# Altium PCB qwq.pcbdoc (part 2 of 3)
Units mil, origin at the board's own origin, x right, y up, seen from the top; angles counter-clockwise.
Board outline 7804.77 x 7315.9 mil, 6 copper layers (Top Layer, Inner1, Inner2, Inner3, Mid-Layer 4, Bottom Layer), stack 84 mil thick; 54 components, 121 nets, 696 pads, 479 vias.
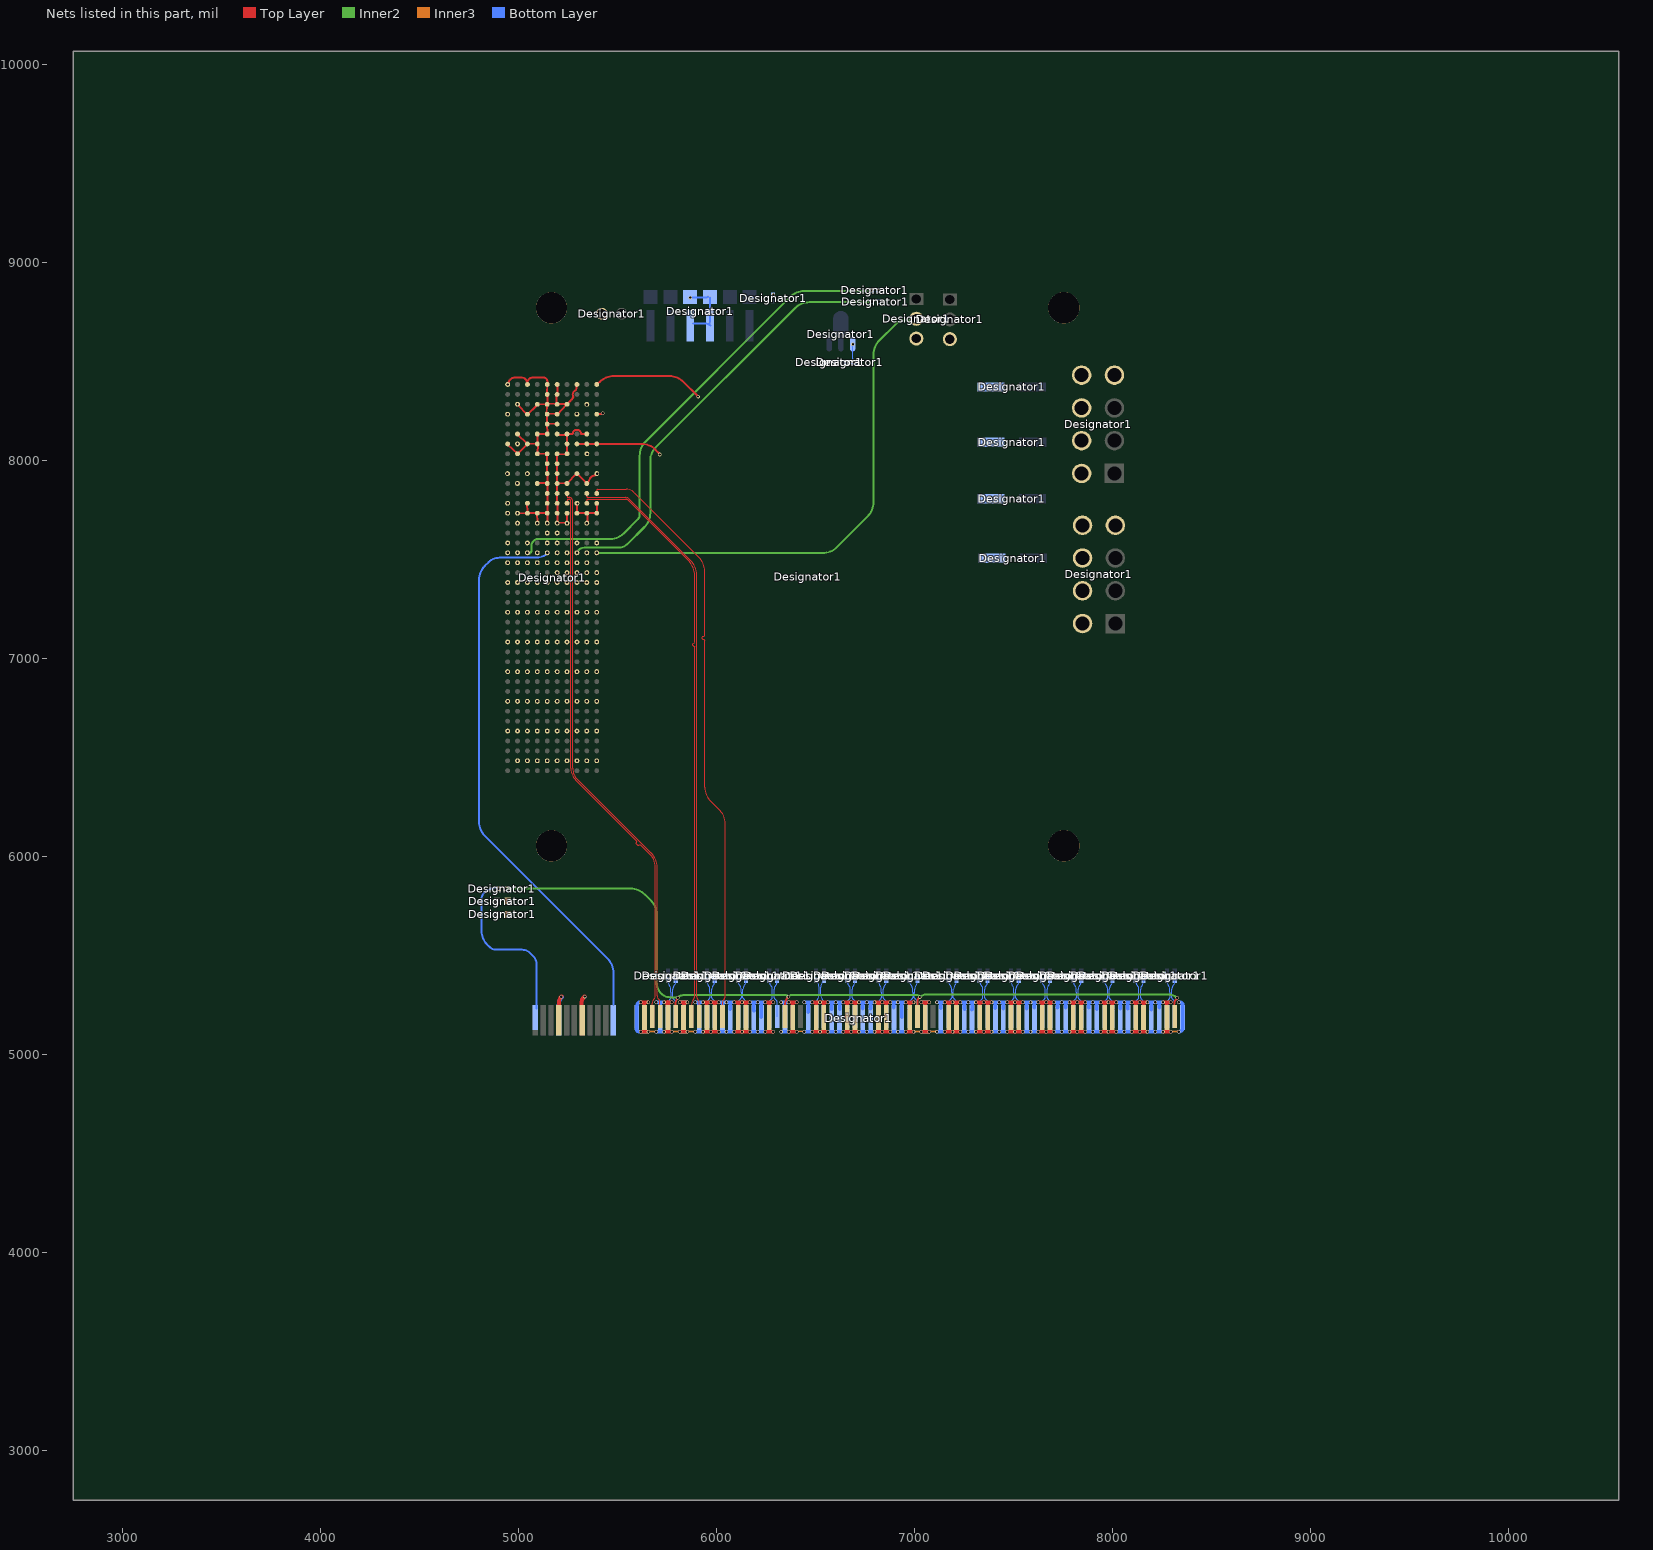
[diagram p6: the nets of this part, all layers, seen from the top]

## Via types
v1: diameter 17.7, hole 11.81, Top Layer to Bottom Layer, 285 vias
v2: diameter 17.72, hole 11.81, Top Layer to Bottom Layer, 142 vias
v3: diameter 17.7, hole 11.8, Top Layer to Bottom Layer, 52 vias

## Nets (pads, with @x,y where several pads share a name; then routed paths per layer and width w, separated by ;. In a path a pad name is that pad's centre, name@x,y a point inside that pad or via, vN(x,y) a via of type N, cw(c..) or ccw(c..) an arc to the next point about the centre after c; other vN are vias at no path point) (continued)
GND: Designator1.1@6545.54,8495 Designator1.1@6685.85,8587.5 Designator1.1@6693.98,8493.82 Designator1.2@4943.87,5706.65 Designator1.2@4944.67,5774.57 Designator1.2@5419.01,8740.18 Designator1.2@6284.08,8836.02 Designator1.2@6815.81,8857.68 Designator1.2@6817.41,8800.18 Designator1.2@7383.95,8370.32 Designator1.2@7384.18,7805.87 Designator1.2@7384.62,8090.84 Designator1.2@7389.38,7504.98 Designator1.3@5965.59,8679.53 Designator1.3@5965.59,8824.81 Designator1.3@7007.63,8614.65 Designator1.3@7176.59,8611.54 Designator1.4 Designator1.5@7842.46,7933.64 Designator1.5@7846.73,7175.83 Designator1.6@7842.46,8098.99 Designator1.6@7846.73,7341.19 Designator1.7 Designator1.8 Designator1.A1@5393.77,8382.76 Designator1.A4 Designator1.A7@5393.77,8082.76 Designator1.A10@5393.77,7932.76 Designator1.A12@5595.9,5187.33 Designator1.A13@5393.77,7782.76 Designator1.A14@5393.77,7732.76 Designator1.A15@5714.01,5187.33 Designator1.A17@5393.77,7582.76 Designator1.A18@5832.12,5187.33 Designator1.A20@5910.86,5187.33 Designator1.A21@5393.77,7382.76 Designator1.A23@6028.97,5187.33 Designator1.A24 Designator1.A27 Designator1.A28@6225.82,5187.33 Designator1.A30@5393.77,6932.76 Designator1.A31@6343.93,5187.33 Designator1.A33@5393.77,6782.76 Designator1.A34@6462.04,5187.33 Designator1.A36@5393.77,6632.76 Designator1.A37@6580.15,5187.33 Designator1.A38@6619.52,5187.33 Designator1.A39@5393.77,6482.76 Designator1.A41 Designator1.A42 Designator1.A45 Designator1.A46 Designator1.A49 Designator1.A51 Designator1.A54 Designator1.A55 Designator1.A58 Designator1.A59 Designator1.A62 Designator1.A63 Designator1.A66 Designator1.A67 Designator1.A70 Designator1.A71 Designator1.A74 Designator1.A75 Designator1.A78 Designator1.A79 Designator1.A82 Designator1.B3@5343.77,8282.76 Designator1.B4@5202.2,5173.35 Designator1.B6@5343.77,8132.76 Designator1.B7 Designator1.B8@5343.77,8032.76 Designator1.B11@5343.77,7882.76 Designator1.B13@5635.27,5187.33 Designator1.B14@5343.77,7732.76 Designator1.B15@5343.77,7682.76 Designator1.B16@5753.38,5187.33 Designator1.B18 Designator1.B19@5343.77,7482.76 Designator1.B21 Designator1.B22@5989.6,5187.33 Designator1.B24@5343.77,7232.76 Designator1.B25@6107.71,5187.33 Designator1.B26@6147.08,5187.33 Designator1.B27@5343.77,7082.76 Designator1.B29@6265.19,5187.33 Designator1.B30@5343.77,6932.76 Designator1.B32@6383.3,5187.33 Designator1.B33@5343.77,6782.76 Designator1.B35@6501.41,5187.33 Designator1.B36 Designator1.B39 Designator1.B40@6698.26,5187.33 Designator1.B43 Designator1.B44 Designator1.B47 Designator1.B49 Designator1.B52 Designator1.B53 Designator1.B56 Designator1.B57 Designator1.B60 Designator1.B61 Designator1.B64 Designator1.B65 Designator1.B68 Designator1.B69 Designator1.B72 Designator1.B73 Designator1.B76 Designator1.B77 Designator1.B80 Designator1.C1 Designator1.C4 Designator1.C7 Designator1.C10 Designator1.C13 Designator1.C14 Designator1.C17 Designator1.C21 Designator1.C24 Designator1.C27 Designator1.C30 Designator1.C33 Designator1.C36 Designator1.C39 Designator1.D3 Designator1.D6 Designator1.D7 Designator1.D8 Designator1.D11 Designator1.D14 Designator1.D15 Designator1.D18 Designator1.D19 Designator1.D21 Designator1.D24 Designator1.D27 Designator1.D30 Designator1.D33 Designator1.D36 Designator1.D39 Designator1.E1 Designator1.E2 Designator1.E3 Designator1.E4 Designator1.E5 Designator1.E6 Designator1.E8 Designator1.E9 Designator1.E10 Designator1.E11 Designator1.E12 Designator1.E13 Designator1.E14 Designator1.E15 Designator1.E16 Designator1.E17 Designator1.E19 Designator1.E21 Designator1.E24 Designator1.E27 Designator1.E30 Designator1.E33 Designator1.E36 Designator1.E39 Designator1.F1 Designator1.F2 Designator1.F3 Designator1.F4 Designator1.F5 Designator1.F6 Designator1.F8 Designator1.F9 Designator1.F10 Designator1.F11 Designator1.F12 Designator1.F13 Designator1.F14 Designator1.F15 Designator1.F16 Designator1.F17 Designator1.F19 Designator1.F21 Designator1.F24 Designator1.F27 Designator1.F30 Designator1.F33 Designator1.F36 Designator1.F39 Designator1.G3 Designator1.G6 Designator1.G7 Designator1.G8 Designator1.G11 Designator1.G14 Designator1.G15 Designator1.G18 Designator1.G19 Designator1.G21 Designator1.G24 Designator1.G27 Designator1.G30 Designator1.G33 Designator1.G36 Designator1.G39 Designator1.H1 Designator1.H4 Designator1.H7 Designator1.H10 Designator1.H13 Designator1.H14 Designator1.H17 Designator1.H19 Designator1.H21 Designator1.H24 Designator1.H27 Designator1.H30 Designator1.H33 Designator1.H36 Designator1.H39 Designator1.J3 Designator1.J6 Designator1.J8 Designator1.J11 Designator1.J14 Designator1.J15 Designator1.J18 Designator1.J19 Designator1.J21 Designator1.J24 Designator1.J27 Designator1.J30 Designator1.J33 Designator1.J36 Designator1.J39 Designator1.K1 Designator1.K4 Designator1.K7 Designator1.K10 Designator1.K13 Designator1.K14 Designator1.K17 Designator1.K19 Designator1.K21 Designator1.K24 Designator1.K27 Designator1.K30 Designator1.K33 Designator1.K36 Designator1.MH2 Designator1.MH3 Designator1.MH6 Designator1.MH7 | length 12860.2
  Top Layer w10: Designator1.K7@4944.27,8079.38 Designator1.J8@4994.18,8031.98 ; Designator1.K1@4947.12,8382.94 cw(c4982.37,8382.94) 4982.37,8418.19 5012.91,8418.19 cw(c5012.91,8388.71) Designator1.H1@5042.39,8388.71 ; Designator1.J6@4989.16,8129.29 4994.52,8129.64 Designator1.J6@4996.23,8129.75 ; Designator1.J14@4993.67,7733.61 Designator1.H14@5044.78,7732.34 ; Designator1.J3@4994.18,8281.77 Designator1.H4@5043.18,8227.98 ; Designator1.J8@4995.32,8031.98 Designator1.H7@5042.95,8080.07 ; Designator1.J6@4995.37,8128.84 Designator1.H7@5040.44,8086.22 ; Designator1.H13@5042.25,7785.03 Designator1.H14@5045.1,7735.14 ; Designator1.H4@5042.5,8230.26 Designator1.G3@5092.64,8279.03 ; Designator1.H1@5043.45,8388.56 5043.45,8390.84 cw(c5070.19,8390.84) 5070.19,8417.58 5126.41,8417.58 cw(c5126.41,8399.95) 5144.04,8399.95 Designator1.F1@5144.04,8383.64 ; Designator1.H7@5044.32,8083.71 5094.69,8081.9 Designator1.G7@5094.69,8080.52 ; Designator1.H14@5045.1,7733.71 Designator1.G14@5092.19,7733.71 ; Designator1.G14@5092.14,7735.14 Designator1.G14@5092.19,7733.71 ; Designator1.G3@5093.09,8281.31 5143.86,8284.23 Designator1.F4@5140.27,8234.13 ; Designator1.G15@5093.57,7686.67 Designator1.G14@5092.19,7733.71 ; Designator1.G11@5093.57,7884.82 Designator1.F11@5137.76,7884.82 ; Designator1.G7@5094.69,8082.98 Designator1.G6@5094.69,8130.66 ; Designator1.G7@5094.74,8081.9 Designator1.G7@5094.92,8081.89 ; Designator1.G7@5096.42,8082.98 5093.57,8031.66 Designator1.F8@5142.04,8033.08 ; Designator1.G6@5097.88,8132.71 Designator1.F6@5144.58,8132.49 ; Designator1.F14@5142.04,7733.71 Designator1.G14@5092.19,7733.71 ; Designator1.F2@5142.09,8339.2 Designator1.F1@5143.85,8382.03 ; Designator1.F4@5142.32,8236.41 Designator1.E4@5196.11,8232.77 ; Designator1.F4@5142.37,8234.18 Designator1.F5@5143.46,8183.99 ; Designator1.F8@5143.47,8034.51 5143.68,7982.76 Designator1.F11@5144.07,7884.85 ; Designator1.F5@5143.69,8187.18 Designator1.F6@5144.58,8132.49 ; Designator1.F11@5144.08,7882.77 Designator1.F15@5144.89,7683.82 ; Designator1.F5@5144.14,8184.68 Designator1.E5@5195.65,8183.77 ; Designator1.F2@5144.37,8333.73 5145.71,8285.86 Designator1.E3@5191.55,8284.5 ; Designator1.F6@5144.6,8131.57 Designator1.F6@5144.58,8132.49 ; Designator1.E2@5191.79,8332.81 5191.79,8288.92 ccw(c5202.3,8288.92) Designator1.E3@5192.57,8284.95 ; Designator1.E8@5191.94,8033.08 Designator1.E11@5193.77,7882.76 5196.21,7685.24 Designator1.D15@5243.26,7683.86 ; Designator1.E3@5192.01,8284.96 Designator1.E3@5192.57,8284.95 ; Designator1.E8@5192.55,8030.94 5243.24,8029.67 Designator1.D7@5243.66,8080.36 ; Designator1.E4@5194.79,8230.77 Designator1.D3@5242.88,8282.96 ; Designator1.E3@5194.87,8281.49 cw(c5202.3,8288.92) Designator1.E3@5192.57,8284.95 ; Designator1.E2@5194.87,8333.32 Designator1.E1@5194.87,8383.62 ; Designator1.E3@5194.91,8284.92 Designator1.D3@5249.44,8284.27 ; Designator1.E6@5195.02,8128.9 5243.33,8128.9 Designator1.D7@5243.33,8080.36 ; Designator1.E11@5197.64,7886.25 5243.26,7881.97 5293.15,7934.72 Designator1.B11@5343.05,7884.82 ; Designator1.D7@5241.74,8078.07 Designator1.D7@5243.33,8078.07 ; Designator1.D14@5243.26,7732.29 Designator1.D15@5243.26,7683.86 ; Designator1.D6@5244.35,8132.45 5272.5,8132.45 cw(c5293.77,8132.76) 5315.03,8133.08 cw(c5293.77,8132.76) 5315.03,8132.45 5339.49,8132.45 cw(c5339.49,8128.13) Designator1.B6@5342.55,8131.18 ; Designator1.D15@5244.68,7683.82 Designator1.D15@5243.26,7683.86 ; Designator1.D3@5245.16,8284.57 5262.58,8301.98 ccw(c5191.87,8372.69) 5276.81,8319.93 cw(c5293.77,8332.76) 5290.05,8353.7 ccw(c5191.87,8372.69) 5291.87,8372.69 Designator1.C1@5291.87,8376.95 ; Designator1.C7@5293.08,8082.9 5619.57,8082.9 cw(c5619.57,7982.9) 5690.28,8053.61 v3@5712.1,8031.79 ; Designator1.C13@5293.15,7787.73 Designator1.C14@5294.42,7730.7 ; Designator1.C14@5295.69,7733.87 Designator1.B14@5342.57,7734.5 ; Designator1.B11@5343.05,7881.97 5352.38,7891.3 5352.38,7891.75 5352.74,7892.12 cw(c5389.2,7886.94) 5384.54,7923.47 Designator1.A10@5392.94,7931.87 ; Designator1.B14@5343.66,7732.94 Designator1.B14@5346.37,7732.94 ; Designator1.B15@5346.37,7682.55 Designator1.B14@5346.37,7732.94 ; Designator1.B14@5346.37,7734.5 Designator1.B14@5346.37,7732.94 ; Designator1.A1@5393.24,8380.19 5409.57,8396.52 cw(c5480.28,8325.8) 5480.28,8425.8 5760.49,8425.8 cw(c5760.49,8325.8) 5831.2,8396.52 v3@5905.18,8322.53 ; Designator1.A13@5394.77,7784.47 5394.77,7732.94 Designator1.B14@5346.37,7732.94 ; Designator1.A4@5395.9,8232.58 5423.25,8232.58 v3@5423.25,8236
  Top Layer w17.72: v2(5615.58,5115.34) v2(5654.95,5115.34) ; v2(5615.58,5263.46) v2(5654.95,5263.46) ; Designator1.B13@5632.89,5234.39 ccw(c5625.53,5241.75) Designator1.B13@5634.88,5237.19 ; 5634.71,5262.71 5634.71,5238 ccw(c5636.79,5238) Designator1.B13@5634.88,5237.19 ; Designator1.B13@5635.32,5236.53 cw(c5636.79,5238) Designator1.B13@5634.88,5237.19 ; Designator1.B13@5637.76,5235.31 ccw(c5634.08,5238.98) Designator1.B13@5639.28,5238.98 ; v2(5733.69,5115.34) v2(5773.06,5115.34) ; v2(5733.69,5263.46) v2(5773.06,5263.46) ; v2(5812.43,5115.34) v2(5851.8,5115.34) ; v2(5812.43,5263.46) v2(5851.8,5263.46) ; Designator1.B18@5831.23,5240.78 cw(c5854.91,5240.78) 5838.16,5257.53 5840.58,5259.94 ; v2(5930.54,5115.34) v2(5969.91,5115.34) v2(6009.28,5115.34) ; v2(5930.54,5263.46) v2(5969.91,5263.46) v2(6009.28,5263.46) ; 5948.54,5262.1 5948.54,5246.18 ccw(c5956.16,5246.18) Designator1.B21@5950.77,5240.79 ; Designator1.B22@5988.93,5237.95 5988.93,5261.49 ; v2(6088.02,5115.34) v2(6127.39,5115.34) v2(6166.76,5115.34) ; v2(6088.02,5263.46) v2(6127.39,5263.46) v2(6166.76,5263.46) ; 6106.87,5263.14 cw(c6103.15,5259.43) 6108.4,5259.43 Designator1.B25@6108.4,5245.46 ; Designator1.B26@6147.1,5238.28 6147.1,5258.68 cw(c6147.98,5258.68) 6147.36,5259.3 ; v2(6245.5,5115.34) v2(6284.87,5115.34) ; v2(6245.5,5263.46) v2(6284.87,5263.46) ; Designator1.B29@6264.23,5224.96 ccw(c6261.14,5228.05) 6265.51,5228.05 6265.51,5260.58 ; v2(6363.61,5115.34) v2(6402.98,5115.34) ; v2(6363.61,5263.46) v2(6402.98,5263.46) ; Designator1.B32@6381.35,5227.78 ccw(c6376.4,5232.73) 6383.4,5232.73 6383.4,5261.61 ; v2(6481.72,5115.34) v2(6521.09,5115.34) v2(6560.46,5115.34) ; v2(6481.72,5263.46) 6501.04,5263.46 ; Designator1.B35@6501.04,5229.06 6501.04,5263.46 ; 6501.04,5263.66 6501.04,5263.46 ; Designator1.B36@6541.02,5225.73 ccw(c6540.4,5226.34) 6541.28,5226.34 6541.28,5260.07 ; v2(6560.46,5263.46) v2(6521.09,5263.46) 6501.04,5263.46 ; v2(6639.2,5115.34) v2(6678.57,5115.34) v2(6717.94,5115.34) ; v2(6639.2,5263.46) v2(6678.57,5263.46) v2(6717.94,5263.46) ; 6659.43,5258.02 6659.43,5232.96 ccw(c6662.05,5232.96) Designator1.B39@6660.2,5231.11 ; Designator1.B40@6696.78,5223.23 ccw(c6693.07,5226.94) 6698.32,5226.94 6698.32,5261.67 ; v2(6796.68,5115.34) v2(6836.05,5115.34) v2(6875.42,5115.34) ; v2(6796.68,5263.46) v2(6836.05,5263.46) v2(6875.42,5263.46) ; 6816.21,5261.67 cw(c6815.59,5261.05) 6816.47,5261.05 Designator1.B43@6816.47,5216.56 ; Designator1.B44@6854.6,5229.58 ccw(c6852.4,5231.78) 6855.51,5231.78 6855.51,5261.13 ; v2(6954.16,5115.34) v2(6993.53,5115.34) ; v2(6954.16,5263.46) v2(6993.53,5263.46) ; Designator1.B47@6972.04,5227.64 ccw(c6969.29,5230.39) 6973.17,5230.39 6973.17,5257.26 ; v2(7032.9,5115.34) v2(7072.27,5115.34) ; v2(7032.9,5263.46) v2(7072.27,5263.46) ; Designator1.B49@7052.11,5237.55 ccw(c7050.19,5239.48) 7052.91,5239.48 7052.91,5258.74 ; v2(7151.01,5115.34) v2(7190.38,5115.34) v2(7229.75,5115.34) ; v2(7151.01,5263.46) v2(7190.38,5263.46) v2(7229.75,5263.46) ; Designator1.B52@7170.02,5234.19 ccw(c7167.96,5236.25) 7170.87,5236.25 7170.87,5259.82 ; Designator1.B53@7209.15,5227.7 ccw(c7208.32,5228.52) 7209.49,5228.52 7209.49,5259.82 ; v2(7308.49,5115.34) v2(7347.86,5115.34) v2(7387.23,5115.34) ; v2(7308.49,5263.46) v2(7347.86,5263.46) v2(7387.23,5263.46) ; Designator1.B56@7326.53,5234.87 ccw(c7321.99,5239.41) 7328.4,5239.41 7328.4,5260.84 ; 7367.19,5260.84 7367.19,5233.21 ccw(c7368.94,5233.21) Designator1.B57@7367.7,5231.97 ; v2(7465.97,5115.34) v2(7505.34,5115.34) v2(7544.71,5115.34) ; v2(7465.97,5263.46) v2(7505.34,5263.46) v2(7544.71,5263.46) ; Designator1.B60@7485.08,5234.7 ccw(c7483.43,5236.35) 7485.77,5236.35 7485.77,5260.16 ; 7525.06,5257.26 cw(c7524.24,5256.43) 7525.41,5256.43 Designator1.B61@7525.41,5233.51 ; v2(7623.45,5115.34) v2(7662.82,5115.34) v2(7702.19,5115.34) ; v2(7623.45,5263.46) v2(7662.82,5263.46) v2(7702.19,5263.46) ; Designator1.B64@7641.59,5234.7 ccw(c7637.05,5239.24) 7643.47,5239.24 7643.47,5259.65 ; Designator1.B65@7681.4,5235.73 ccw(c7678.51,5238.62) 7682.6,5238.62 7682.6,5262.21 ; v2(7780.93,5115.34) v2(7820.3,5115.34) v2(7859.67,5115.34) ; v2(7780.93,5263.46) v2(7820.3,5263.46) v2(7859.67,5263.46) ; Designator1.B68@7798.44,5223.43 ccw(c7793.9,5227.96) 7800.32,5227.96 7800.32,5262.04 ; 7840.13,5261.02 7840.13,5230.04 ccw(c7845.38,5230.04) Designator1.B69@7841.67,5226.33 ; v2(7938.41,5115.34) v2(7977.78,5115.34) v2(8017.15,5115.34) ; v2(7938.41,5263.46) v2(7977.78,5263.46) v2(8017.15,5263.46) ; 7957.68,5260.67 7957.68,5246.09 ccw(c7960.01,5246.09) Designator1.B72@7958.36,5244.44 ; 7997.49,5262.38 7997.49,5227.64 ccw(c7999.82,5227.64) Designator1.B73@7998.17,5225.99 ; v2(8095.89,5115.34) v2(8135.26,5115.34) v2(8174.63,5115.34) ; v2(8095.89,5263.46) v2(8135.26,5263.46) v2(8174.63,5263.46) ; 8115.04,5263.24 8115.04,5227.74 ccw(c8116.79,5227.74) Designator1.B76@8115.55,5226.5 ; 8155.19,5262.55 8155.19,5221.79 ccw(c8155.78,5221.79) Designator1.B77@8155.36,5221.38 ; v2(8253.37,5115.34) v2(8292.74,5115.34) ; v2(8253.37,5263.46) v2(8292.74,5263.46) ; 8272.92,5261.02 8272.92,5237.49 ccw(c8277.58,5237.49) Designator1.B80@8274.28,5234.19
  Top Layer w20: Designator1.B4@5202.12,5236.09 5202.12,5259.63 cw(c5249.49,5259.63) v3@5216,5293.12 ; Designator1.B7@5316.65,5241.51 5316.65,5258.29 cw(c5366.55,5258.29) v3@5331.26,5293.58
  Top Layer w22: 5752.61,5263.2 5752.61,5242.75 ccw(c5754.69,5242.75) Designator1.B16@5753.22,5241.28
  Inner3 w10: v2@5653.45,5116.43 v2@5690.45,5115.97 ; v2@5774.95,5116.43 v2@5811.94,5115.06 ; v2@5852.59,5115.06 v2@5890.04,5115.06 ; v2@6403.41,5117.34 v2@6440.86,5115.97 ; v2@6995.28,5116.26 v2@7030.9,5115.35 ; v2@7076.12,5114.89 v2@7111.29,5115.35 ; v2@8292.39,5115.35 v2@8329.85,5115.35
  Bottom Layer w5.2: Designator1.1@6685.85,8587.5 6685.85,8513.45 ccw(c6713.61,8513.45) Designator1.1@6693.98,8493.82
  Bottom Layer w10: Designator1.4@5864.96,8821.73 5944.75,8821.73 ccw(c5944.75,8837.52) Designator1.3@5955.91,8826.36 ; Designator1.4@5878.84,8690.71 5942.19,8690.71 cw(c5942.19,8653.87) Designator1.3@5968.24,8679.92 ; Designator1.3@5960.53,8689.17 ccw(c5949.37,8700.33) 5965.16,8700.33 Designator1.3@5965.16,8821.73
  Bottom Layer w17.72: v2(5615.58,5263.46) 5609.77,5263.46 ccw(c5609.77,5256.14) 5604.59,5261.31 ccw(c5625.58,5240.33) 5595.9,5240.33 Designator1.A12@5595.9,5187.33 5595.9,5124.02 ccw(c5602.73,5124.02) 5597.9,5119.19 ccw(c5607.19,5128.48) 5607.19,5115.34 v2(5615.58,5115.34) v2(5654.95,5115.34) ; v2(5694.32,5115.34) v2(5733.69,5115.34) ; v2(5694.32,5263.46) v2(5733.69,5263.46) ; Designator1.A15@5712.75,5221.91 ccw(c5709.04,5225.63) 5714.29,5225.63 Designator1.A15@5714.29,5233.77 ; Designator1.A15@5712.88,5233.77 cw(c5715.33,5236.22) 5711.86,5236.22 5714.29,5262.8 ; v2(5812.43,5115.34) v2(5851.8,5115.34) ; v2(5812.43,5263.46) 5832.7,5263.46 ; 5832.7,5263.82 5832.7,5263.46 ; Designator1.A18@5834.24,5220.76 cw(c5837.95,5224.47) 5832.7,5224.47 5832.7,5263.46 ; v2(5851.8,5263.46) 5832.7,5263.46 ; v2(5891.17,5115.34) v2(5930.54,5115.34) ; v2(5891.17,5263.46) v2(5930.54,5263.46) ; Designator1.A20@5909.97,5218.45 5909.97,5261.13 ; v2(6009.28,5115.34) v2(6048.65,5115.34) v2(6088.02,5115.34) ; v2(6009.28,5263.46) v2(6048.65,5263.46) v2(6088.02,5263.46) ; 6027.99,5260.74 cw(c6025.21,5257.96) 6029.14,5257.96 Designator1.A23@6029.14,5213.46 ; Designator1.A24@6068.36,5226.91 6068.36,5262.28 ; v2(6166.76,5115.34) v2(6206.13,5115.34) v2(6245.5,5115.34) ; v2(6166.76,5263.46) v2(6206.13,5263.46) v2(6245.5,5263.46) ; 6186.76,5263.05 6186.76,5225.18 ccw(c6194.64,5225.18) Designator1.A27@6189.07,5219.61 ; Designator1.A28@6225.2,5186.93 6225.2,5261.19 cw(c6227.83,5261.19) 6225.97,5263.05 ; v2(6324.24,5115.34) v2(6363.61,5115.34) ; v2(6324.24,5263.46) v2(6363.61,5263.46) ; Designator1.A31@6340.92,5217.69 ccw(c6333.49,5225.11) 6343.99,5225.11 6343.99,5258.05 ; v2(6442.35,5115.34) v2(6481.72,5115.34) ; v2(6442.35,5263.46) v2(6481.72,5263.46) ; Designator1.A34@6462.02,5213.84 ccw(c6460.16,5215.7) 6462.78,5215.7 6462.78,5259.59 ; v2(6560.46,5115.34) v2(6599.83,5115.34) v2(6639.2,5115.34) ; v2(6560.46,5263.46) v2(6599.83,5263.46) v2(6639.2,5263.46) ; 6579.65,5261.9 6579.65,5229.15 ccw(c6582.28,5229.15) Designator1.A37@6580.42,5227.3 ; 6620.02,5260.36 6620.02,5230.85 ccw(c6623.96,5230.85) Designator1.A38@6621.17,5228.06 ; v2(6717.94,5115.34) v2(6757.31,5115.34) v2(6796.68,5115.34) ; v2(6717.94,5263.46) v2(6757.31,5263.46) v2(6796.68,5263.46) ; Designator1.A41@6737.65,5231.91 6737.65,5259.97 ; Designator1.A42@6775.71,5230.76 ccw(c6773.86,5232.61) 6776.48,5232.61 6776.48,5259.97 ; v2(6875.42,5115.34) v2(6914.79,5115.34) v2(6954.16,5115.34) ; v2(6875.42,5263.46) v2(6914.79,5263.46) v2(6954.16,5263.46) ; Designator1.A45@6893.73,5236.14 ccw(c6891.88,5237.99) 6894.5,5237.99 6894.5,5260.74 ; Designator1.A46@6934.26,5187.19 ccw(c6932.61,5188.84) 6934.94,5188.84 6934.94,5260.57 ; v2(7032.9,5115.34) v2(7072.27,5115.34) ; v2(7032.9,5263.46) v2(7072.27,5263.46) ; Designator1.A49@7052.41,5235.11 ccw(c7049.31,5238.21) 7053.69,5238.21 7053.69,5259.46 ; v2(7111.64,5115.34) v2(7151.01,5115.34) ; v2(7111.64,5263.46) v2(7151.01,5263.46) ; Designator1.A51@7130.89,5233.38 ccw(c7129.04,5235.24) 7131.66,5235.24 7131.66,5261.06 ; v2(7229.75,5115.34) v2(7269.12,5115.34) v2(7308.49,5115.34) ; v2(7229.75,5263.46) v2(7269.12,5263.46) v2(7308.49,5263.46) ; 7248.53,5263.37 7248.53,5235.21 ccw(c7257.28,5235.21) Designator1.A54@7251.09,5229.03 ; Designator1.A55@7287.49,5225.95 ccw(c7283.77,5229.66) 7289.02,5229.66 7289.02,5263.37 ; v2(7387.23,5115.34) v2(7426.6,5115.34) v2(7465.97,5115.34) ; v2(7387.23,5263.46) v2(7426.6,5263.46) v2(7465.97,5263.46) ; 7406.4,5261.57 7406.4,5236.01 ccw(c7409.03,5236.01) Designator1.A58@7407.17,5234.15 ; Designator1.A59@7445.36,5229.54 ccw(c7441.65,5233.25) 7446.9,5233.25 7446.9,5263.37 ; v2(7544.71,5115.34) v2(7584.08,5115.34) v2(7623.45,5115.34) ; v2(7544.71,5263.46) v2(7584.08,5263.46) v2(7623.45,5263.46) ; 7564.54,5262.86 7564.54,5233.19 ccw(c7567.16,5233.19) Designator1.A62@7565.3,5231.33 ; Designator1.A63@7601.95,5236.97 ccw(c7597,5241.92) 7604,5241.92 7604,5263.37 ; v2(7702.19,5115.34) v2(7741.56,5115.34) v2(7780.93,5115.34) ; v2(7702.19,5263.46) v2(7741.56,5263.46) v2(7780.93,5263.46) ; Designator1.A66@7720.1,5236.71 ccw(c7715.77,5241.05) 7721.9,5241.05 7721.9,5260.55 ; Designator1.A67@7760.85,5236.2 ccw(c7759.62,5237.44) 7761.37,5237.44 7761.37,5258.5 ; v2(7859.67,5115.34) v2(7899.04,5115.34) v2(7938.41,5115.34) ; v2(7859.67,5263.46) v2(7899.04,5263.46) v2(7938.41,5263.46) ; Designator1.A70@7878.75,5236.46 ccw(c7877.51,5237.7) 7879.26,5237.7 7879.26,5257.47 ; Designator1.A71@7917.7,5229.03 ccw(c7913.37,5233.36) 7919.5,5233.36 7919.5,5257.73 ; v2(8017.15,5115.34) v2(8056.52,5115.34) v2(8095.89,5115.34) ; v2(8017.15,5263.46) v2(8056.52,5263.46) v2(8095.89,5263.46) ; 8035.85,5258.24 cw(c8031.52,5253.91) 8037.64,5253.91 Designator1.A74@8037.65,5231.59 ; Designator1.A75@8074.81,5229.79 ccw(c8072.95,5231.65) 8075.58,5231.65 8075.58,5259.78 ; v2(8174.63,5115.34) v2(8214,5115.34) v2(8253.37,5115.34) ; v2(8174.63,5263.46) v2(8214,5263.46) v2(8253.37,5263.46) ; 8193.47,5259.52 8193.47,5227.08 ccw(c8194.34,5227.08) Designator1.A78@8193.72,5226.46 ; Designator1.A79@8233.45,5235.18 ccw(c8232.83,5235.8) 8233.71,5235.8 8233.71,5260.04 ; v2(8332.11,5115.34) 8333.68,5115.34 ccw(c8333.68,5136.55) 8348.68,5121.55 ccw(c8341.15,5129.08) 8351.8,5129.08 Designator1.A82@8351.8,5187.33 8351.8,5254.21 ccw(c8347.87,5254.21) 8350.65,5256.98 ccw(c8335.02,5241.35) 8335.02,5263.46 v2(8332.11,5263.46)
  Bottom Layer w20: Designator1.A4@5201.56,5241.1 5201.56,5250.24 cw(c5258.8,5250.24) v3@5218.32,5290.71
  other v1: 4993.77,6482.76 5043.77,6482.77 5093.77,6482.76 5143.77,6482.76 5193.77,6482.76 5243.77,6482.77 5293.77,6482.77 5343.77,6482.76 5393.77,6482.76 4943.77,6632.76 4993.77,6632.77 5043.77,6632.77 5093.77,6632.77 5143.77,6632.76 5193.77,6632.76 5243.77,6632.77 5293.77,6632.76 5343.77,6632.76 5393.77,6632.76 4943.77,6782.76 4993.77,6782.77 5043.77,6782.77 5093.77,6782.77 5143.77,6782.76 5193.77,6782.76 5243.77,6782.77 5293.77,6782.76 5343.77,6782.76 5393.77,6782.76 4943.77,6932.76 4993.77,6932.77 5043.77,6932.77 5093.77,6932.77 5143.77,6932.76 5193.77,6932.76 5243.77,6932.77 5293.77,6932.76 5343.77,6932.76 5393.77,6932.76 4943.77,7082.76 4993.77,7082.77 5043.77,7082.77 5093.77,7082.77 5143.77,7082.76 5193.77,7082.76 5243.77,7082.77 5293.77,7082.76 5343.77,7082.76 5393.77,7082.76 4943.77,7232.76 4993.77,7232.77 5043.77,7232.77 5093.77,7232.77 5143.77,7232.76 5193.77,7232.76 5243.77,7232.77 5293.77,7232.76 5343.77,7232.76 5393.77,7232.76 4943.77,7382.76 4993.77,7382.77 5043.77,7382.77 5093.77,7382.77 5143.77,7382.76 5193.77,7382.76 5243.77,7382.77 5293.77,7382.76 5343.77,7382.76 5393.77,7382.76 4943.77,7482.77 4993.77,7482.77 5043.77,7482.77 5093.77,7482.76 5143.77,7482.77 5193.77,7482.76 5243.77,7482.76 5343.77,7482.76 4993.77,7532.76 5093.77,7532.76 5243.77,7532.76 5343.77,7532.77 4943.77,7582.76 5043.77,7582.76 5143.77,7582.76 5193.77,7582.77 5293.77,7582.77 5393.77,7582.76 5143.77,7632.77 5193.77,7632.76 4993.77,7682.77 5093.77,7682.77 5143.77,7682.76 5193.77,7682.76 5243.77,7682.76 5343.77,7682.76 4943.77,7732.76 4993.77,7732.77 4943.77,7782.76 5043.77,7932.76 4943.77,8232.76 4993.77,8282.76
  other v3: 5215.25,5291.75 5332.63,5292.21 4942.94,5704.44 4947.55,5772.9 7387.57,7505.25 5296.32,7782.02 7384.99,7811.12 4993.12,7883.53 4942.36,7931.99 5395.79,7931.87 5712.76,8029.25 5345.09,8031.71 7384.99,8090.34 5293.69,8235.3 5424.96,8237.02 5342.89,8280.29 5905.18,8321.9 7385.76,8371.87 4944.5,8382.58 6545.91,8494.15 6693.6,8494.15 6687.44,8585.94 6818.58,8801.36 5866.5,8821.73 6285.97,8836.04 6814.92,8857.33
I2CADDR0: Designator1.1@6781.73,8857.68 Designator1.H18 | length 2499.4
  Inner2 w10: v1@5048.01,7526.68 5052.63,7526.68 5061.24,7535.29 ccw(c5055.98,7540.55) 5063.42,7540.55 5063.42,7569.73 cw(c5089.73,7569.73) 5071.13,7588.34 5079.55,7596.76 cw(c5092.71,7583.6) 5092.71,7602.21 5461.96,7602.21 ccw(c5461.96,7696.94) 5528.94,7629.96 5601.92,7702.94 ccw(c5580.87,7723.99) 5610.64,7723.99 5610.64,8023.81 cw(c5710.64,8023.81) 5639.93,8094.52 6370.49,8825.08 cw(c6441.2,8754.37) 6441.2,8854.37 v3@6781.29,8854.37
  other v1: 5043.77,7532.76
  other v3: 6781.27,8857.47
I2CADDR1: Designator1.1@6783.33,8800.18 Designator1.C18 | length 2191
  Inner2 w10: v1@5292.14,7536.31 5302.39,7546.57 cw(c5332.21,7516.75) 5332.21,7558.92 5501.48,7558.92 ccw(c5501.48,7629.09) 5551.1,7579.48 5634.85,7663.23 ccw(c5564.14,7733.94) 5664.14,7733.94 5664.14,7999.78 cw(c5753.46,7999.78) 5690.3,8062.94 6396.34,8768.97 cw(c6467.05,8698.26) 6467.05,8798.26 v3@6776.06,8798.26
  other v1: 5293.77,7532.76
  other v3: 6782.36,8799.73
JTAG_SEL: Designator1.C19
  other v1: 5293.77,7482.77
JTAG_TCLK: Designator1.C20
  other v1: 5293.77,7432.76
JTAG_TDI: Designator1.E20
  other v1: 5193.77,7432.77
JTAG_TDO: Designator1.D20
  other v1: 5243.77,7432.76
JTAG_TMS: Designator1.B20@5343.77,7432.76
  other v1: 5343.77,7432.76
JTAG_TRST#: Designator1.A20@5393.77,7432.76
  other v1: 5393.77,7432.76
PCIET0+: Designator1.1@5753.41,5376.47 Designator1.A16@5753.38,5191.27 | length 194.7
  Bottom Layer w5.15: Designator1.A16@5753.38,5191.27 5753.38,5263.58 cw(c5763.38,5263.58) 5756.31,5270.65 5765.56,5279.9 ccw(c5758.49,5286.97) 5768.49,5286.97 5768.47,5314.19 cw(c5768.71,5314.19) 5768.54,5314.36 ccw(c5768.38,5314.52) 5768.61,5314.52 5768.61,5329.82 ccw(c5742.66,5329.82) 5761.01,5348.16 cw(c5779.36,5366.51) 5753.41,5366.51 Designator1.1@5753.41,5376.47
PCIET0-: Designator1.1@5792.97,5376.47 Designator1.A17@5792.75,5191.27 | length 194.7
  Bottom Layer w5.15: Designator1.A17@5792.75,5191.27 5792.75,5263.58 ccw(c5782.75,5263.58) 5789.82,5270.65 5780.57,5279.9 cw(c5787.64,5286.97) 5777.64,5286.97 5777.64,5310.51 ccw(c5777.36,5310.8) 5777.78,5310.8 5777.78,5329.82 cw(c5803.72,5329.82) 5785.37,5348.16 ccw(c5767.03,5366.51) 5792.97,5366.51 Designator1.1@5792.97,5376.47
PCIET1+: Designator1.1@5950.32,5376.47 Designator1.A21@5950.23,5191.27 | length 194.5
  Bottom Layer w5.15: Designator1.A21@5950.23,5191.27 5950.23,5263.58 cw(c5960.23,5263.58) 5953.16,5270.65 5962.41,5279.9 ccw(c5955.34,5286.97) 5965.34,5286.97 5965.32,5314.24 ; Designator1.1@5950.32,5376.47 5950.32,5366.42 ccw(c5976.05,5366.42) 5957.86,5348.23 cw(c5939.66,5330.03) 5965.39,5330.03 5965.39,5314.4
PCIET1-: Designator1.1@5989.63,5376.47 Designator1.A22@5989.6,5191.27 | length 194.6
  Bottom Layer w5.15: Designator1.A22@5989.6,5191.27 5989.6,5263.58 ccw(c5979.6,5263.58) 5986.67,5270.65 5977.42,5279.9 cw(c5984.49,5286.97) 5974.49,5286.97 5974.49,5310.51 ccw(c5974.38,5310.63) 5974.56,5310.63 5974.56,5330.03 cw(c6000.29,5330.03) 5982.09,5348.23 ccw(c5963.9,5366.42) 5989.63,5366.42 Designator1.1@5989.63,5376.47
PCIET2+: Designator1.1@6107.77,5376.47 Designator1.A25@6107.71,5191.27 | length 194.5
  Bottom Layer w5.15: Designator1.A25@6107.71,5191.27 6107.71,5263.58 cw(c6117.71,5263.58) 6110.64,5270.65 6119.89,5279.9 ccw(c6112.82,5286.97) 6122.82,5286.97 6122.8,5314.25 ; Designator1.1@6107.77,5376.47 6107.77,5366.43 ccw(c6133.53,5366.43) 6115.31,5348.22 cw(c6097.1,5330.01) 6122.86,5330.01 6122.86,5314.38
PCIET2-: Designator1.1@6147.11,5376.47 Designator1.A26@6147.08,5191.27 | length 194.6
  Bottom Layer w5.15: 6131.97,5310.51 6131.97,5286.97 ccw(c6141.97,5286.97) 6134.9,5279.9 6144.15,5270.65 cw(c6137.08,5263.58) 6147.08,5263.58 Designator1.A26@6147.08,5191.27 ; 6131.98,5310.51 ccw(c6131.89,5310.6) 6132.02,5310.6 6132.02,5330.01 cw(c6157.78,5330.01) 6139.57,5348.22 ccw(c6121.35,5366.43) 6147.11,5366.43 Designator1.1@6147.11,5376.47
PCIET3+: Designator1.1@6265.23,5376.47 Designator1.A29@6265.19,5191.27 | length 193.8
  Bottom Layer w5.15: Designator1.A29@6265.19,5191.27 6265.19,5263.58 cw(c6275.19,5263.58) 6268.12,5270.65 6277.37,5279.9 ccw(c6270.3,5286.97) 6280.3,5286.97 6280.3,5310.51 ; Designator1.1@6265.23,5376.47 6265.23,5366.44 ccw(c6291,5366.44) 6272.78,5348.21 cw(c6254.55,5329.99) 6280.33,5329.99 6280.33,5311.38
PCIET3-: Designator1.1@6304.59,5376.47 Designator1.A30@6304.56,5191.27 | length 194.2
  Bottom Layer w5.15: 6289.45,5310.51 6289.45,5286.97 ccw(c6299.45,5286.97) 6292.38,5279.9 6301.63,5270.65 cw(c6294.56,5263.58) 6304.56,5263.58 Designator1.A30@6304.56,5191.27 ; 6289.49,5310.92 6289.49,5329.99 cw(c6315.27,5329.99) 6297.04,5348.21 ccw(c6278.81,5366.44) 6304.59,5366.44 Designator1.1@6304.59,5376.47
PCIET4+: Designator1.1@6501.28,5376.47 Designator1.A35@6501.41,5191.27 | length 193.2
  Bottom Layer w5.2: Designator1.1@6501.28,5376.47 cw(c6464.87,5340.06) 6516.36,5340.06 6516.36,5296.76 ; Designator1.A35@6501.41,5191.27 6501.41,5261.3 cw(c6523.95,5261.3) 6508.01,5277.24 ccw(c6488.49,5296.76) 6516.1,5296.76
PCIET4-: Designator1.1@6540.64,5376.47 Designator1.A36@6540.78,5191.27 | length 195.7
  Bottom Layer w5.2: 6531.9,5279.45 cw(c6510.47,5258.01) 6540.78,5258.01 Designator1.A36@6540.78,5191.27 ; 6533.95,5277.57 cw(c6554.21,5297.83) 6525.56,5297.83 6525.56,5340.06 cw(c6577.05,5340.06) Designator1.1@6540.64,5376.47
PCIET5+: Designator1.1@6658.92,5376.47 Designator1.A39@6658.89,5191.27 | length 194.6
  Bottom Layer w5.15: Designator1.A39@6658.89,5191.27 6658.89,5263.58 cw(c6668.89,5263.58) 6661.82,5270.65 6671.07,5279.9 ccw(c6664,5286.97) 6674,5286.97 6674,5310.51 cw(c6674.14,5310.66) 6673.92,5310.66 6673.92,5330.16 ccw(c6648.31,5330.16) 6666.42,5348.26 cw(c6684.53,5366.37) 6658.92,5366.37 Designator1.1@6658.92,5376.47
PCIET5-: Designator1.1@6698.08,5376.47 Designator1.A40@6698.26,5191.27 | length 194.6
  Bottom Layer w5.15: 6683.12,5314.33 cw(c6683.22,5314.42) 6683.09,5314.42 6683.09,5330.16 cw(c6708.69,5330.16) 6690.58,5348.26 ccw(c6672.48,5366.37) 6698.08,5366.37 Designator1.1@6698.08,5376.47 ; 6683.13,5314.33 cw(c6683.03,5314.23) 6683.16,5314.23 6683.15,5286.97 ccw(c6693.15,5286.97) 6686.08,5279.9 6695.33,5270.65 cw(c6688.26,5263.58) 6698.26,5263.58 Designator1.A40@6698.26,5191.27
PCIET6+: Designator1.1@6816.4,5376.47 Designator1.A43 | length 194.5
  Bottom Layer w5.15: Designator1.A43@6816.37,5191.27 6816.37,5263.58 cw(c6826.37,5263.58) 6819.3,5270.65 6828.55,5279.9 ccw(c6821.48,5286.97) 6831.48,5286.97 6831.46,5314.26 ; Designator1.1@6816.4,5376.47 6816.4,5366.44 ccw(c6842.18,5366.44) 6823.95,5348.21 cw(c6805.72,5329.98) 6831.5,5329.98 6831.5,5314.35
PCIET6-: Designator1.1@6855.77,5376.47 Designator1.A44 | length 194.6
  Bottom Layer w5.15: Designator1.A44@6855.74,5191.27 6855.74,5263.58 ccw(c6845.74,5263.58) 6852.81,5270.65 6843.56,5279.9 cw(c6850.63,5286.97) 6840.63,5286.97 6840.67,5329.98 cw(c6866.45,5329.98) 6848.22,5348.21 ccw(c6829.99,5366.44) 6855.77,5366.44 Designator1.1@6855.77,5376.47
PCIET7+: Designator1.1@6974.02,5376.47 Designator1.A47 | length 194.7
  Bottom Layer w5.15: Designator1.A47@6973.85,5191.27 6973.85,5263.58 cw(c6983.85,5263.58) 6976.78,5270.65 6986.03,5279.9 ccw(c6978.96,5286.97) 6988.96,5286.97 6988.94,5314.16 cw(c6989.24,5314.16) 6989.03,5314.37 ccw(c6988.82,5314.59) 6989.12,5314.59 6989.12,5329.98 ccw(c6963.34,5329.98) 6981.57,5348.21 cw(c6999.8,5366.44) 6974.02,5366.44 Designator1.1@6974.02,5376.47
PCIET7-: Designator1.1@7013.39,5376.47 Designator1.A48 | length 194.7
  Bottom Layer w5.15: Designator1.A48@7013.22,5191.27 7013.22,5263.58 ccw(c7003.22,5263.58) 7010.29,5270.65 7001.04,5279.9 cw(c7008.11,5286.97) 6998.11,5286.97 6998.11,5310.51 ccw(c6997.74,5310.89) 6998.28,5310.89 6998.28,5329.98 cw(c7024.07,5329.98) 7005.84,5348.21 ccw(c6987.61,5366.44) 7013.39,5366.44 Designator1.1@7013.39,5376.47
PCIET8+: Designator1.1@7170.73,5376.47 Designator1.A52 | length 194.5
  Bottom Layer w5.15: Designator1.A52@7170.7,5191.27 7170.7,5263.58 cw(c7180.7,5263.58) 7173.63,5270.65 7182.88,5279.9 ccw(c7175.81,5286.97) 7185.81,5286.97 7185.79,5314.26 ; Designator1.1@7170.73,5376.47 7170.73,5366.44 ccw(c7196.51,5366.44) 7178.28,5348.21 cw(c7160.05,5329.98) 7185.83,5329.98 7185.83,5314.35
PCIET8-: Designator1.1@7210.1,5376.47 Designator1.A53 | length 194.6
  Bottom Layer w5.15: Designator1.A53@7210.07,5191.27 7210.07,5263.58 ccw(c7200.07,5263.58) 7207.14,5270.65 7197.89,5279.9 cw(c7204.96,5286.97) 7194.96,5286.97 7195,5329.98 cw(c7220.78,5329.98) 7202.55,5348.21 ccw(c7184.32,5366.44) 7210.1,5366.44 Designator1.1@7210.1,5376.47
PCIET9+: Designator1.1@7328.12,5376.47 Designator1.A56 | length 194.6
  Bottom Layer w5.15: Designator1.1@7328.12,5376.47 7328.12,5366.44 ccw(c7353.89,5366.44) 7335.67,5348.21 cw(c7317.44,5329.99) 7343.22,5329.99 7343.22,5310.64 ccw(c7343.41,5310.64) 7343.27,5310.51 ; Designator1.A56@7328.18,5191.27 7328.18,5263.58 cw(c7338.18,5263.58) 7331.11,5270.65 7340.36,5279.9 ccw(c7333.29,5286.97) 7343.29,5286.97 7343.29,5310.51
PCIET9-: Designator1.1@7367.48,5376.47 Designator1.A57 | length 194.5
  Bottom Layer w5.15: 7352.38,5314.41 7352.38,5329.99 cw(c7378.16,5329.99) 7359.93,5348.21 ccw(c7341.71,5366.44) 7367.48,5366.44 Designator1.1@7367.48,5376.47 ; 7352.45,5314.24 7352.44,5286.97 ccw(c7362.44,5286.97) 7355.37,5279.9 7364.62,5270.65 cw(c7357.55,5263.58) 7367.55,5263.58 Designator1.A57@7367.55,5191.27
PCIET10+: Designator1.1@7485.56,5376.47 Designator1.A60 | length 194.7
  Bottom Layer w5.15: Designator1.1@7485.56,5376.47 7485.56,5366.44 ccw(c7511.34,5366.44) 7493.11,5348.21 cw(c7474.88,5329.98) 7500.67,5329.98 7500.67,5310.72 ccw(c7500.97,5310.72) 7500.75,5310.51 7500.77,5286.97 cw(c7490.77,5286.97) 7497.84,5279.9 7488.59,5270.65 ccw(c7495.66,5263.58) 7485.66,5263.58 Designator1.A60@7485.66,5191.27
PCIET10-: Designator1.1@7524.93,5376.47 Designator1.A61 | length 194.7
  Bottom Layer w5.15: Designator1.1@7524.93,5376.47 7524.93,5366.44 cw(c7499.15,5366.44) 7517.38,5348.21 ccw(c7535.61,5329.98) 7509.83,5329.98 7509.83,5314.46 ccw(c7510.01,5314.46) 7509.88,5314.34 cw(c7509.76,5314.21) 7509.93,5314.21 7509.92,5286.97 ccw(c7519.92,5286.97) 7512.85,5279.9 7522.1,5270.65 cw(c7515.03,5263.58) 7525.03,5263.58 Designator1.A61@7525.03,5191.27
PCIET11+: Designator1.1@7643.01,5376.47 Designator1.A64 | length 194.7
  Bottom Layer w5.15: Designator1.1@7643.01,5376.47 7643.01,5366.5 ccw(c7668.93,5366.5) 7650.6,5348.17 cw(c7632.28,5329.85) 7658.19,5329.85 ; Designator1.A64@7643.14,5191.27 7643.14,5263.58 cw(c7653.14,5263.58) 7646.07,5270.65 7655.32,5279.9 ccw(c7648.25,5286.97) 7658.25,5286.97 7658.25,5329.85
PCIET11-: Designator1.1@7682.54,5376.47 Designator1.A65 | length 201.3
  Bottom Layer w5.15: 7667.41,5303.83 7667.41,5310.51 ; Designator1.A65@7682.51,5191.27 7682.51,5263.58 ccw(c7672.51,5263.58) 7679.58,5270.65 7670.33,5279.9 cw(c7677.4,5286.97) 7667.4,5286.97 7667.4,5310.51 ; Designator1.1@7682.54,5376.47 7682.54,5366.5 cw(c7656.63,5366.5) 7674.95,5348.17 ccw(c7693.27,5329.85) 7667.36,5329.85 7667.36,5311.51 cw(c7658.25,5310.51) 7667.41,5310.51
PCIET12+: Designator1.1@7800.65,5376.47 Designator1.A68 | length 194.5
  Bottom Layer w5.15: Designator1.A68@7800.62,5191.27 7800.62,5263.58 cw(c7810.62,5263.58) 7803.55,5270.65 7812.8,5279.9 ccw(c7805.73,5286.97) 7815.73,5286.97 7815.71,5314.26 ; Designator1.1@7800.65,5376.47 7800.65,5366.44 ccw(c7826.43,5366.44) 7808.2,5348.21 cw(c7789.97,5329.98) 7815.75,5329.98 7815.75,5314.35
PCIET12-: Designator1.1@7840.02,5376.47 Designator1.A69 | length 194.6
  Bottom Layer w5.15: Designator1.A69@7839.99,5191.27 7839.99,5263.58 ccw(c7829.99,5263.58) 7837.06,5270.65 7827.81,5279.9 cw(c7834.88,5286.97) 7824.88,5286.97 7824.92,5329.98 cw(c7850.7,5329.98) 7832.47,5348.21 ccw(c7814.24,5366.44) 7840.02,5366.44 Designator1.1@7840.02,5376.47
PCIET13+: Designator1.1@7958.12,5376.47 Designator1.A72 | length 194.6
  Bottom Layer w5.15: Designator1.A72@7958.1,5191.27 7958.1,5263.58 cw(c7968.1,5263.58) 7961.03,5270.65 7970.28,5279.9 ccw(c7963.21,5286.97) 7973.21,5286.97 7973.23,5329.97 ccw(c7947.43,5329.97) 7965.67,5348.21 cw(c7983.91,5366.45) 7958.12,5366.45 Designator1.1@7958.12,5376.47
PCIET13-: Designator1.1@7997.5,5376.47 Designator1.A73 | length 194.6
  Bottom Layer w5.15: Designator1.A73@7997.47,5191.27 7997.47,5263.58 ccw(c7987.47,5263.58) 7994.54,5270.65 7985.29,5279.9 cw(c7992.36,5286.97) 7982.36,5286.97 7982.39,5329.97 cw(c8008.18,5329.97) 7989.95,5348.21 ccw(c7971.71,5366.45) 7997.5,5366.45 Designator1.1@7997.5,5376.47
PCIET14+: Designator1.1@8115.61,5376.47 Designator1.A76 | length 194.6
  Bottom Layer w5.15: Designator1.A76@8115.58,5191.27 8115.58,5263.58 cw(c8125.58,5263.58) 8118.51,5270.65 8127.76,5279.9 ccw(c8120.69,5286.97) 8130.69,5286.97 8130.69,5310.51 ; Designator1.1@8115.61,5376.47 8115.61,5366.36 ccw(c8141.18,5366.36) 8123.1,5348.27 cw(c8105.02,5330.19) 8130.59,5330.19 8130.59,5310.71 ccw(c8130.87,5310.71) 8130.67,5310.51
PCIET14-: Designator1.1@8154.74,5376.47 Designator1.A77 | length 194.6
  Bottom Layer w5.15: Designator1.1@8154.74,5376.47 8154.74,5366.36 cw(c8129.16,5366.36) 8147.25,5348.27 ccw(c8165.33,5330.19) 8139.76,5330.19 8139.76,5314.46 ccw(c8139.92,5314.46) 8139.81,5314.34 cw(c8139.69,5314.22) 8139.85,5314.22 8139.84,5286.97 ccw(c8149.84,5286.97) 8142.77,5279.9 8152.02,5270.65 cw(c8144.95,5263.58) 8154.95,5263.58 Designator1.A77@8154.95,5191.27
PCIET15+: Designator1.1@8273.1,5376.47 Designator1.A80 | length 194.5
  Bottom Layer w5.15: Designator1.A80@8273.06,5191.27 8273.06,5263.58 cw(c8283.06,5263.58) 8275.99,5270.65 8285.24,5279.9 ccw(c8278.17,5286.97) 8288.17,5286.97 8288.15,5314.25 ; Designator1.1@8273.1,5376.47 8273.1,5366.44 ccw(c8298.88,5366.44) 8280.65,5348.21 cw(c8262.42,5329.98) 8288.2,5329.98 8288.2,5314.37
PCIET15-: Designator1.1@8312.47,5376.47 Designator1.A81 | length 194.6
  Bottom Layer w5.15: Designator1.A81@8312.43,5191.27 8312.43,5263.58 ccw(c8302.43,5263.58) 8309.5,5270.65 8300.25,5279.9 cw(c8307.32,5286.97) 8297.32,5286.97 8297.37,5329.98 cw(c8323.15,5329.98) 8304.92,5348.21 ccw(c8286.69,5366.44) 8312.47,5366.44 Designator1.1@8312.47,5376.47
PERST#: Designator1.A11@5477.79,5173.35 Designator1.F18 | length 2840.7
  Bottom Layer w10: v1@5150.33,7533.7 cw(c5088.92,7595.1) 5088.92,7508.27 4902.92,7508.27 ccw(c4902.92,7430.12) 4847.66,7485.38 4828.93,7466.65 ccw(c4899.64,7395.94) 4799.64,7395.94 4799.64,6173.93 ccw(c4899.64,6173.93) 4828.93,6103.21 5449.37,5482.78 cw(c5378.66,5412.07) 5478.66,5412.07 Designator1.A11@5478.66,5248.47
  other v1: 5143.77,7532.77
PRSNT1: Designator1.1@4898.16,5836.3 Designator1.A1@5084.09,5187.33 | length 877.4
  Bottom Layer w10: v3@4901.99,5839.15 4880.39,5839.15 ccw(c4880.39,5760.37) 4824.68,5816.08 ccw(c4855.32,5785.44) 4811.99,5785.44 4811.99,5624.43 ccw(c4911.99,5624.43) 4841.28,5553.72 4851.22,5543.78 ccw(c4887.43,5579.99) 4887.43,5528.78 5016.21,5528.78 cw(c5016.21,5470.28) 5057.58,5511.65 5073.9,5495.32 cw(c5037.69,5459.11) 5088.9,5459.11 Designator1.A1@5088.9,5231.1
  other v3: 4898.17,5835.85
PRSNT2: Designator1.2@4932.24,5836.3 Designator1.B17@5792.75,5191.27 Designator1.B31@6343.93,5191.27 Designator1.B48 Designator1.B81 | length 4049.7
  Top Layer w10: Designator1.B17@5792.62,5241.59 5792.62,5261.19 cw(c5823.03,5261.19) v3@5801.52,5282.69 ; Designator1.B31@6343.89,5244.6 6343.89,5250.88 cw(c6400.03,5250.88) 6345.88,5265.7 cw(c6363.61,5263.46) 6348.28,5272.63 cw(c6400.03,5250.88) v3@6360.33,5290.57 ; Designator1.B48@7012.26,5236.54 7012.26,5262.14 cw(c7049.69,5262.14) v3@7023.22,5288.6 ; Designator1.B81@8309.84,5242.02 8309.84,5251.01 cw(c8354.28,5251.01) v3@8322.85,5282.44
  Inner2 w10: v3@4933.89,5837.12 5564.55,5837.12 cw(c5564.55,5737.12) 5635.26,5807.83 5670.71,5772.38 cw(c5611.17,5712.83) 5695.37,5712.83 5695.37,5364.22 ccw(c5774.32,5364.22) 5718.49,5308.4 ccw(c5766.87,5356.77) 5766.87,5288.36 v3@5800.19,5288.36 ; v3@5803.28,5288.36 cw(c5829.33,5262.31) 5829.33,5299.15 6346.4,5299.15 cw(c6346.4,5278.09) v3@6361.29,5292.98 ; v3@6362.83,5292.98 cw(c6381.44,5274.37) 6381.44,5300.69 7004.87,5300.69 cw(c7004.87,5269.11) v3@7027.2,5291.44 ; v3@7028.74,5291.44 cw(c7054.79,5265.39) 7054.79,5302.23 8282.64,5302.23 cw(c8282.64,5244.34) v3@8323.58,5285.27
  other v3: 5803.43,5285.73 8324.28,5286.03 7025.34,5289.69 6361.7,5291.94 4932.79,5835.85
PRSNT2#_SXM: Designator1.J7
  other v1: 4993.77,8082.76
PWR_BRAKE#: Designator1.E18
  other v1: 5193.77,7532.77
PWR_EN: Designator1.2@7007.63,8714.65 Designator1.A18@5393.77,7532.76 | length 2578.6
  Inner2 w10: v1@5397.03,7531.33 6534.84,7531.33 ccw(c6534.84,7631.33) 6605.55,7560.62 6762,7717.08 ccw(c6691.29,7787.79) 6791.29,7787.79 6791.29,8534.26 cw(c6891.29,8534.26) 6820.58,8604.97 6902.7,8687.08 cw(c6950.06,8639.72) 6950.06,8706.7 6994.02,8706.7 ccw(c6994.02,8738.28) Designator1.2@7016.35,8715.95
  other v1: 5393.77,7532.77
PWR_GOOD: Designator1.K18
  other v1: 4943.77,7532.77
RX0+: Designator1.B14@5674.64,5191.27 Designator1.D13 | length 2831.2
  Top Layer w5.15: Designator1.B14@5673.76,5191.68 5673.76,5259.13 cw(c5699.66,5259.13) 5681.35,5277.45 ccw(c5661.82,5296.97) 5689.43,5296.55 5689.43,5297.13 5689.43,5296.78
  Top Layer w5.2: Designator1.D13@5243.77,7782.76 5243.77,7796.89 cw(c5250.04,7796.89) 5245.6,7801.33 cw(c5250.04,7796.89) 5250.04,7803.16 5254.53,7803.16 cw(c5254.53,7794.9) 5262.79,7794.9 5262.79,6445.34 ccw(c5349.72,6445.34) 5288.25,6383.88 5596.74,6075.39 5596.74,6070.19 5594.38,6067.83 5594.38,6062.63 5599.79,6057.22 5604.99,6057.22 5607.35,6059.58 5612.55,6059.58 5663.82,6008.34 cw(c5601.99,5946.51) 5689.43,5946.51 5689.43,5297.13
RX0-: Designator1.B15@5714.01,5191.27 Designator1.D12 | length 2831.9
  Top Layer w5.15: 5669.73,6015.38 5670.29,6014.81 cw(c5601.99,5946.51) 5698.58,5946.51 5698.58,5296.67 ; 5698.58,5296.32 ccw(c5727.61,5298.71) 5707.01,5278.11 5707.67,5277.46 cw(c5694.49,5264.27) 5713.13,5264.27 Designator1.B15@5713.13,5191.68
  Top Layer w5.2: Designator1.D12@5243.77,7832.76 5243.77,7818.64 ccw(c5250.04,7818.64) 5245.6,7814.2 ccw(c5250.04,7818.64) 5250.04,7812.36 5254.53,7812.36 cw(c5254.53,7794.9) 5271.99,7794.9 5271.99,6445.34 ccw(c5349.72,6445.34) 5294.76,6390.38 5669.7,6015.44
RX1+: Designator1.B13@5343.77,7782.76 Designator1.B19@5871.49,5191.27 | length 2933.5
  Top Layer w5.2: Designator1.B13@5343.77,7782.76 5343.77,7796.89 cw(c5350.04,7796.89) 5345.6,7801.33 cw(c5350.04,7796.89) 5350.04,7803.16 5540.87,7803.16 cw(c5540.87,7790.81) 5549.61,7799.55 5859.72,7489.44 cw(c5789.01,7418.73) 5889.01,7418.73 5889.01,7080.7 5885.33,7077.03 5882.69,7077.03 5879.01,7073.35 5879.01,7065.7 5882.69,7062.03 5885.33,7062.03 5889.01,7058.35 5889.01,5292.47 cw(c5872.66,5292.47) 5884.34,5281.03 ccw(c5914.7,5251.28) Designator1.B19@5873.06,5242.75
RX1-: Designator1.B12@5343.77,7832.76 Designator1.B20@5910.86,5191.27 | length 2933.9
  Top Layer w5.2: Designator1.B12@5343.77,7832.76 5343.77,7818.64 ccw(c5350.04,7818.64) 5345.6,7814.2 ccw(c5350.04,7818.64) 5350.04,7812.36 5540.99,7812.36 cw(c5540.99,7791.09) 5556.03,7806.13 5868.92,7493.25 cw(c5798.21,7422.54) 5898.21,7422.54 5898.21,5292.47 ccw(c5913.08,5292.47) 5901.19,5283.53 cw(c5855.54,5249.19) Designator1.B20@5912.47,5244.46
RX2+: Designator1.A12@5393.77,7832.76 Designator1.B23@6028.97,5191.27 | length 3009.3
  Top Layer w5.2: Designator1.A12@5393.77,7832.76 5393.77,7846.89 cw(c5400.04,7846.89) 5395.6,7851.33 cw(c5400.04,7846.89) 5400.04,7853.16 5541.8,7853.16 cw(c5541.8,7793.04) 5584.31,7835.56 5909.72,7510.15 cw(c5839.01,7439.44) 5939.01,7439.44 5939.01,7114.19 5935.33,7110.52 5929.62,7110.52 5925.94,7106.84 5925.94,7099.19 5929.62,7095.52 5935.33,7095.52 5939.01,7091.84 5939.01,6349 ccw(c6039.01,6349) 5968.3,6278.28 6016.52,6230.07 cw(c5952.31,6165.86) 6043.11,6165.86 6043.11,5292.92 cw(c6024.84,5292.92) 6036.43,5278.8 ccw(c6048.58,5264) 6030.74,5270.94 ccw(c6080.37,5251.64) Designator1.B23@6028.69,5238.82